# Altium PCB DRS4-PCB.PcbDoc (part 3 of 15) (continued)
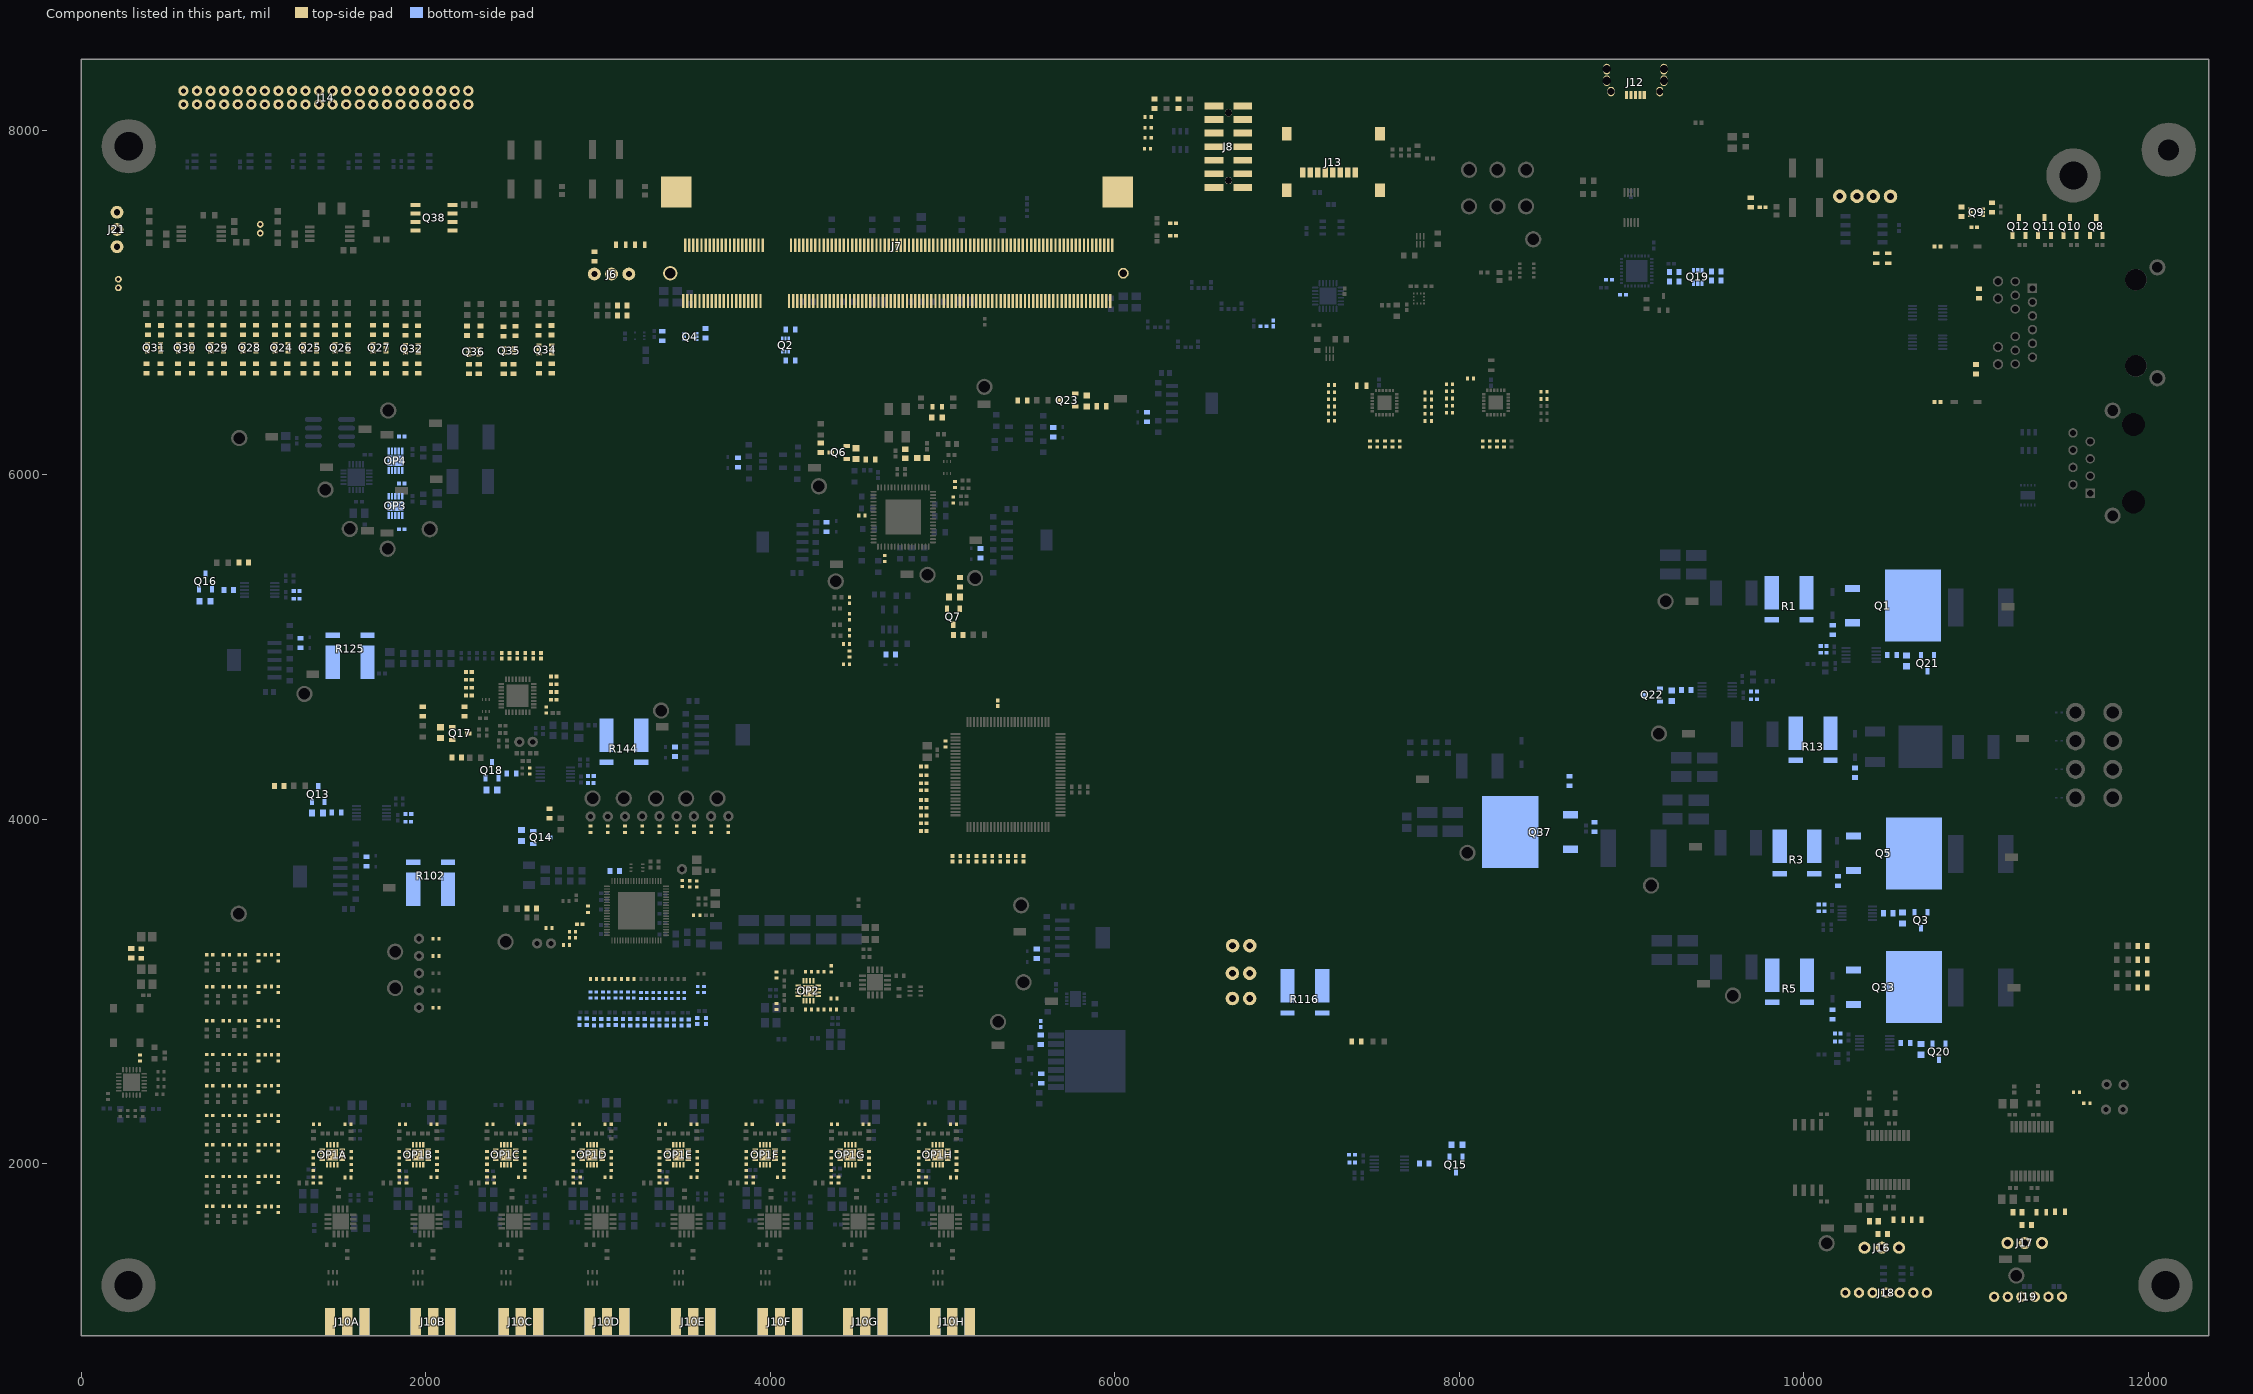
[diagram p13: the components of this part, seen from the top]
## Components (designator, comment, footprint, x,y, rotation, side; value= is the part's Value field where it differs from the comment) (continued)
R113 "1K1 1% 0402" RESC0402(1005)_L#1 2852.13,3312.09 r0 top value="1100.00 Ohm"
R114 "1K1 1% 0402" RESC0402(1005)_L#1 2851.57,3345.94 r0 top value="1100.00 Ohm"
R115 "49R9 1% 0402" RESC0402(1005)_L#2 3572.52,3442.62 r0 top value="49.90 Ohm"
R116 "SRes_KOA_PSG4NTEB1L00F_1mOhm" SRes_KOA_PSG4NTEB1L00F_1mOhm 7104.31,2967.31 r0 bottom
R117 "Res_Vishay_CRCW04020000Z0EDC_0_Ohm" Res_Vishay_CRCW04020000Z0EDC_0_Ohm 7377.7,2006.81 r0 bottom
R118 "100K 5% 0603" RESC0603(1608)_N 7985.37,2109.64 r0 bottom value="100000.00 Ohm"
R119 "100K 5% 0603" RESC0603(1608)_N 2555.24,3905.37 r90 bottom value="100000.00 Ohm"
R120 "Res_Vishay_CRCW04020000Z0EDC_0_Ohm" Res_Vishay_CRCW04020000Z0EDC_0_Ohm 7376.01,2052.1 r0 bottom
R121 "10K 5% 0603" RESC0603(1608)_L 7795.33,2001.3 r180 bottom value="10000.00 Ohm"
R122 "10K 5% 0603" RESC0603(1608)_L 3095.82,3698.86 r0 bottom value="10000.00 Ohm"
R123 "680R 5% 0603" RESC0603(1608)_L 2718.44,4032.45 r270 top value="680.00 Ohm"
R124 "680R 5% 0603" RESC0603(1608)_L 7401.9,2709.43 r0 top value="680.00 Ohm"
R125 "SRes_KOA_PSG4NTEB1L00F_1mOhm" SRes_KOA_PSG4NTEB1L00F_1mOhm 1559.31,4976.33 r180 bottom
R126 "49R9 1% 0402" RESC0402(1005)_L#1 2698.98,4633.95 r90 top value="49.90 Ohm"
R127 "22R 1% 0402" RESC0402(1005)_L#1 2602.34,4280.43 r90 top value="22.00 Ohm"
R128 "Res_Vishay_CRCW04020000Z0EDC_0_Ohm" Res_Vishay_CRCW04020000Z0EDC_0_Ohm 2742.51,4692.73 r0 top
R129 "Res_Vishay_CRCW04020000Z0EDC_0_Ohm" Res_Vishay_CRCW04020000Z0EDC_0_Ohm 1249.59,5325.45 r180 bottom
R130 "Res_Vishay_CRCW04020000Z0EDC_0_Ohm" Res_Vishay_CRCW04020000Z0EDC_0_Ohm 2742.51,4738.02 r0 top
R131 "100K 5% 0603" RESC0603(1608)_N 718.25,5265.89 r180 bottom value="100000.00 Ohm"
R132 "Res_Vishay_CRCW04020000Z0EDC_0_Ohm" Res_Vishay_CRCW04020000Z0EDC_0_Ohm 2742.51,4783.3 r0 top
R133 "Res_Vishay_CRCW04020000Z0EDC_0_Ohm" Res_Vishay_CRCW04020000Z0EDC_0_Ohm 1249.59,5280.16 r180 bottom
R134 "Res_Vishay_CRCW04020000Z0EDC_0_Ohm" Res_Vishay_CRCW04020000Z0EDC_0_Ohm 2742.51,4828.59 r0 top
R135 "10K 5% 0603" RESC0603(1608)_L 855.53,5330.67 r0 bottom value="10000.00 Ohm"
R136 "Res_Vishay_CRCW04020000Z0EDC_0_Ohm" Res_Vishay_CRCW04020000Z0EDC_0_Ohm 2668.72,4948.85 r90 top
R137 "Res_Vishay_CRCW04020000Z0EDC_0_Ohm" Res_Vishay_CRCW04020000Z0EDC_0_Ohm 2623.43,4948.85 r90 top
R138 "Res_Vishay_CRCW04020000Z0EDC_0_Ohm" Res_Vishay_CRCW04020000Z0EDC_0_Ohm 2577.09,4948.85 r90 top
R139 "Res_Vishay_CRCW04020000Z0EDC_0_Ohm" Res_Vishay_CRCW04020000Z0EDC_0_Ohm 2531,4948.85 r90 top
R140 "680R 5% 0603" RESC0603(1608)_L 942.42,5489.7 r180 top value="680.00 Ohm"
R141 "Res_Vishay_CRCW04020000Z0EDC_0_Ohm" Res_Vishay_CRCW04020000Z0EDC_0_Ohm 2485.61,4948.85 r90 top
R142 "Res_Vishay_CRCW04020000Z0EDC_0_Ohm" Res_Vishay_CRCW04020000Z0EDC_0_Ohm 2440.32,4948.85 r90 top
R143 "Res_Vishay_CRCW04020000Z0EDC_0_Ohm" Res_Vishay_CRCW04020000Z0EDC_0_Ohm 2249.59,4854.31 r180 top
R144 "SRes_KOA_PSG4NTEB1L00F_1mOhm" SRes_KOA_PSG4NTEB1L00F_1mOhm 3150.3,4422.62 r0 bottom
R145 "Res_Vishay_CRCW04020000Z0EDC_0_Ohm" Res_Vishay_CRCW04020000Z0EDC_0_Ohm 2249.59,4809.03 r180 top
R146 "Res_Vishay_CRCW04020000Z0EDC_0_Ohm" Res_Vishay_CRCW04020000Z0EDC_0_Ohm 2249.59,4763.74 r180 top
R147 "Res_Vishay_CRCW04020000Z0EDC_0_Ohm" Res_Vishay_CRCW04020000Z0EDC_0_Ohm 2249.59,4718.46 r180 top
R148 "100K 5% 0603" RESC0603(1608)_N 2084.8,4502.46 r270 top value="100000.00 Ohm"
R149 "Res_Vishay_CRCW04020000Z0EDC_0_Ohm" Res_Vishay_CRCW04020000Z0EDC_0_Ohm 2957.82,4251.42 r180 bottom
R150 "10K 5% 0603" RESC0603(1608)_L 2224.92,4625.49 r90 top value="10000.00 Ohm"
R151 "Res_Vishay_CRCW04020000Z0EDC_0_Ohm" Res_Vishay_CRCW04020000Z0EDC_0_Ohm 2957.55,4210.56 r180 bottom
R152 "100K 5% 0603" RESC0603(1608)_N 2382.92,4168.9 r180 bottom value="100000.00 Ohm"
R153 "10K 5% 0603" RESC0603(1608)_L 2496.34,4265.3 r0 bottom value="10000.00 Ohm"
R154 "680R 5% 0603" RESC0603(1608)_L 1981.58,4625.64 r270 top value="680.00 Ohm"
R155 "680R 5% 0603" RESC0603(1608)_L 2179.02,4358.31 r0 top value="680.00 Ohm"
R156A "61R9 1% 0402" RESC0402(1005)_L#1 1388.16,1906.22 r270 top value="61.90 Ohm" (schematic designator R156)
R156B "61R9 1% 0402" RESC0402(1005)_L#1 1886.9,1906.22 r270 top value="61.90 Ohm" (schematic designator R156)
R156C "61R9 1% 0402" RESC0402(1005)_L#1 2396.35,1906.22 r270 top value="61.90 Ohm" (schematic designator R156)
R156D "61R9 1% 0402" RESC0402(1005)_L#1 2896.51,1906.22 r270 top value="61.90 Ohm" (schematic designator R156)
R156E "61R9 1% 0402" RESC0402(1005)_L#1 3396.98,1906.22 r270 top value="61.90 Ohm" (schematic designator R156)
R156F "61R9 1% 0402" RESC0402(1005)_L#1 3900.48,1906.22 r270 top value="61.90 Ohm" (schematic designator R156)
R156G "61R9 1% 0402" RESC0402(1005)_L#1 4395.29,1906.22 r270 top value="61.90 Ohm" (schematic designator R156)
R156H "61R9 1% 0402" RESC0402(1005)_L#1 4902.81,1906.22 r270 top value="61.90 Ohm" (schematic designator R156)
R157A "49R9 1% 0402" RESC0402(1005)_L#1 1346.81,1906.22 r270 top value="49.90 Ohm" (schematic designator R157)
R157B "49R9 1% 0402" RESC0402(1005)_L#1 1845.55,1906.22 r270 top value="49.90 Ohm" (schematic designator R157)
R157C "49R9 1% 0402" RESC0402(1005)_L#1 2355,1906.22 r270 top value="49.90 Ohm" (schematic designator R157)
R157D "49R9 1% 0402" RESC0402(1005)_L#1 2855.16,1906.22 r270 top value="49.90 Ohm" (schematic designator R157)
R157E "49R9 1% 0402" RESC0402(1005)_L#1 3355.63,1906.22 r270 top value="49.90 Ohm" (schematic designator R157)
R157F "49R9 1% 0402" RESC0402(1005)_L#1 3859.13,1906.22 r270 top value="49.90 Ohm" (schematic designator R157)
R157G "49R9 1% 0402" RESC0402(1005)_L#1 4353.94,1906.22 r270 top value="49.90 Ohm" (schematic designator R157)
R157H "49R9 1% 0402" RESC0402(1005)_L#1 4861.46,1906.22 r270 top value="49.90 Ohm" (schematic designator R157)
R158 "Res_Vishay_CRCW04020000Z0EDC_0_Ohm" Res_Vishay_CRCW04020000Z0EDC_0_Ohm 6862.8,6861.93 r180 bottom
R159A "165R 1% 0402" RESC0402(1005)_L#1 1346.81,1979.06 r90 top value="165.00 Ohm" (schematic designator R159)
R159B "165R 1% 0402" RESC0402(1005)_L#1 1845.55,1979.06 r90 top value="165.00 Ohm" (schematic designator R159)
R159C "165R 1% 0402" RESC0402(1005)_L#1 2355,1979.06 r90 top value="165.00 Ohm" (schematic designator R159)
R159D "165R 1% 0402" RESC0402(1005)_L#1 2855.16,1979.06 r90 top value="165.00 Ohm" (schematic designator R159)
R159E "165R 1% 0402" RESC0402(1005)_L#1 3355.63,1979.06 r90 top value="165.00 Ohm" (schematic designator R159)
R159F "165R 1% 0402" RESC0402(1005)_L#1 3859.13,1979.06 r90 top value="165.00 Ohm" (schematic designator R159)
R159G "165R 1% 0402" RESC0402(1005)_L#1 4353.94,1979.06 r90 top value="165.00 Ohm" (schematic designator R159)
R159H "165R 1% 0402" RESC0402(1005)_L#1 4861.46,1979.06 r90 top value="165.00 Ohm" (schematic designator R159)
R160A "15R 1% 0402" RESC0402(1005)_L#1 1364.53,2229.13 r0 top value="15.00 Ohm" (schematic designator R160)
R160B "15R 1% 0402" RESC0402(1005)_L#1 1863.27,2229.13 r0 top value="15.00 Ohm" (schematic designator R160)
R160C "15R 1% 0402" RESC0402(1005)_L#1 2372.72,2229.13 r0 top value="15.00 Ohm" (schematic designator R160)
R160D "15R 1% 0402" RESC0402(1005)_L#1 2872.87,2229.13 r0 top value="15.00 Ohm" (schematic designator R160)
R160E "15R 1% 0402" RESC0402(1005)_L#1 3373.35,2229.13 r0 top value="15.00 Ohm" (schematic designator R160)
R160F "15R 1% 0402" RESC0402(1005)_L#1 3876.85,2229.13 r0 top value="15.00 Ohm" (schematic designator R160)
R160G "15R 1% 0402" RESC0402(1005)_L#1 4371.65,2229.13 r0 top value="15.00 Ohm" (schematic designator R160)
R160H "15R 1% 0402" RESC0402(1005)_L#1 4879.17,2229.13 r0 top value="15.00 Ohm" (schematic designator R160)
R161A "15R 1% 0402" RESC0402(1005)_L#1 1548.5,2229.13 r180 top value="15.00 Ohm" (schematic designator R161)
R161B "15R 1% 0402" RESC0402(1005)_L#1 2047.32,2229.13 r180 top value="15.00 Ohm" (schematic designator R161)
R161C "15R 1% 0402" RESC0402(1005)_L#1 2556.5,2229.41 r180 top value="15.00 Ohm" (schematic designator R161)
R161D "15R 1% 0402" RESC0402(1005)_L#1 3058.46,2229.13 r180 top value="15.00 Ohm" (schematic designator R161)
R161E "15R 1% 0402" RESC0402(1005)_L#1 3557.13,2229.13 r180 top value="15.00 Ohm" (schematic designator R161)
R161F "15R 1% 0402" RESC0402(1005)_L#1 4060.2,2229.13 r180 top value="15.00 Ohm" (schematic designator R161)
R161G "15R 1% 0402" RESC0402(1005)_L#1 4555,2229.13 r180 top value="15.00 Ohm" (schematic designator R161)
R161H "15R 1% 0402" RESC0402(1005)_L#1 5062.52,2229.13 r180 top value="15.00 Ohm" (schematic designator R161)
R162A "165R 1% 0402" RESC0402(1005)_L#1 1566.22,1978.78 r90 top value="165.00 Ohm" (schematic designator R162)
R162B "165R 1% 0402" RESC0402(1005)_L#1 2065.04,1978.78 r90 top value="165.00 Ohm" (schematic designator R162)
R162C "165R 1% 0402" RESC0402(1005)_L#1 2574.21,1979.06 r90 top value="165.00 Ohm" (schematic designator R162)
R162D "165R 1% 0402" RESC0402(1005)_L#1 3076.18,1979.06 r90 top value="165.00 Ohm" (schematic designator R162)
R162E "165R 1% 0402" RESC0402(1005)_L#1 3574.84,1979.06 r90 top value="165.00 Ohm" (schematic designator R162)
R162F "165R 1% 0402" RESC0402(1005)_L#1 4077.91,1979.06 r90 top value="165.00 Ohm" (schematic designator R162)
R162G "165R 1% 0402" RESC0402(1005)_L#1 4572.72,1979.06 r90 top value="165.00 Ohm" (schematic designator R162)
R162H "165R 1% 0402" RESC0402(1005)_L#1 5080.24,1979.06 r90 top value="165.00 Ohm" (schematic designator R162)
R163 "1K1 1% 0402" RESC0402(1005)_L#1 3755.91,3941.54 r90 top value="1100.00 Ohm"
R164A "61R9 1% 0402" RESC0402(1005)_L#1 1548.74,1920.31 r0 top value="61.90 Ohm" (schematic designator R164)
R164B "61R9 1% 0402" RESC0402(1005)_L#1 2047.32,1921.68 r0 top value="61.90 Ohm" (schematic designator R164)
R164C "61R9 1% 0402" RESC0402(1005)_L#1 2556.5,1920.83 r0 top value="61.90 Ohm" (schematic designator R164)
R164D "61R9 1% 0402" RESC0402(1005)_L#1 3056.65,1920.83 r0 top value="61.90 Ohm" (schematic designator R164)
R164E "61R9 1% 0402" RESC0402(1005)_L#1 3557.13,1920.83 r0 top value="61.90 Ohm" (schematic designator R164)
R164F "61R9 1% 0402" RESC0402(1005)_L#1 4060.2,1920.83 r0 top value="61.90 Ohm" (schematic designator R164)
R164G "61R9 1% 0402" RESC0402(1005)_L#1 4555,1921.68 r0 top value="61.90 Ohm" (schematic designator R164)
R164H "61R9 1% 0402" RESC0402(1005)_L#1 5062.52,1919.83 r0 top value="61.90 Ohm" (schematic designator R164)
R165A "348R 1% 0402" RESC0402(1005)_L#1 1566.22,2051.89 r90 top value="348.00 Ohm" (schematic designator R165)
R165B "348R 1% 0402" RESC0402(1005)_L#1 2065.04,2051.89 r90 top value="348.00 Ohm" (schematic designator R165)
R165C "348R 1% 0402" RESC0402(1005)_L#1 2574.21,2051.89 r90 top value="348.00 Ohm" (schematic designator R165)
R165D "348R 1% 0402" RESC0402(1005)_L#1 3076.18,2051.89 r90 top value="348.00 Ohm" (schematic designator R165)
R165E "348R 1% 0402" RESC0402(1005)_L#1 3574.84,2051.89 r90 top value="348.00 Ohm" (schematic designator R165)
R165F "348R 1% 0402" RESC0402(1005)_L#1 4077.91,2051.89 r90 top value="348.00 Ohm" (schematic designator R165)
R165G "348R 1% 0402" RESC0402(1005)_L#1 4572.72,2051.89 r90 top value="348.00 Ohm" (schematic designator R165)
R165H "348R 1% 0402" RESC0402(1005)_L#1 5080.24,2051.89 r90 top value="348.00 Ohm" (schematic designator R165)
R166A "22R 1% 0402" RESC0402(1005)_L#1 2955.9,2978.68 r90 bottom value="22.00 Ohm" (schematic designator R166)
R166B "22R 1% 0402" RESC0402(1005)_L#1 3028.3,2978.46 r90 bottom value="22.00 Ohm" (schematic designator R166)
R166C "22R 1% 0402" RESC0402(1005)_L#1 3100.7,2978.46 r90 bottom value="22.00 Ohm" (schematic designator R166)
R166D "22R 1% 0402" RESC0402(1005)_L#1 3173.1,2978.46 r90 bottom value="22.00 Ohm" (schematic designator R166)
R166E "22R 1% 0402" RESC0402(1005)_L#1 3248.46,2977.51 r90 bottom value="22.00 Ohm" (schematic designator R166)
R166F "22R 1% 0402" RESC0402(1005)_L#1 3320.46,2977.51 r90 bottom value="22.00 Ohm" (schematic designator R166)
R166G "22R 1% 0402" RESC0402(1005)_L#1 3392.86,2977.51 r90 bottom value="22.00 Ohm" (schematic designator R166)
R166H "22R 1% 0402" RESC0402(1005)_L#1 3465.27,2977.51 r90 bottom value="22.00 Ohm" (schematic designator R166)
R167A "22R 1% 0402" RESC0402(1005)_L#1 2989.75,2978.77 r90 bottom value="22.00 Ohm" (schematic designator R167)
R167B "22R 1% 0402" RESC0402(1005)_L#1 3062.16,2978.46 r90 bottom value="22.00 Ohm" (schematic designator R167)
R167C "22R 1% 0402" RESC0402(1005)_L#1 3134.56,2978.46 r90 bottom value="22.00 Ohm" (schematic designator R167)
R167D "22R 1% 0402" RESC0402(1005)_L#1 3206.96,2978.46 r90 bottom value="22.00 Ohm" (schematic designator R167)
R167E "22R 1% 0402" RESC0402(1005)_L#1 3281.92,2977.51 r90 bottom value="22.00 Ohm" (schematic designator R167)
R167F "22R 1% 0402" RESC0402(1005)_L#1 3354.32,2977.51 r90 bottom value="22.00 Ohm" (schematic designator R167)
R167G "22R 1% 0402" RESC0402(1005)_L#1 3426.72,2977.51 r90 bottom value="22.00 Ohm" (schematic designator R167)
R167H "22R 1% 0402" RESC0402(1005)_L#1 3499.12,2977.51 r90 bottom value="22.00 Ohm" (schematic designator R167)
R168 "100R 5% 0402" RESC0402(1005)_L#1 2972.88,3072.2 r0 top value="100.00 Ohm"
R169 "100R 5% 0402" RESC0402(1005)_L#1 3045.36,3072.2 r0 top value="100.00 Ohm"
R170A "348R 1% 0402" RESC0402(1005)_L#1 1346.81,2051.89 r90 top value="348.00 Ohm" (schematic designator R170)
R170B "348R 1% 0402" RESC0402(1005)_L#1 1845.55,2051.89 r90 top value="348.00 Ohm" (schematic designator R170)
R170C "348R 1% 0402" RESC0402(1005)_L#1 2355,2051.89 r90 top value="348.00 Ohm" (schematic designator R170)
R170D "348R 1% 0402" RESC0402(1005)_L#1 2855.16,2051.89 r90 top value="348.00 Ohm" (schematic designator R170)
R170E "348R 1% 0402" RESC0402(1005)_L#1 3355.63,2051.89 r90 top value="348.00 Ohm" (schematic designator R170)
R170F "348R 1% 0402" RESC0402(1005)_L#1 3859.13,2051.89 r90 top value="348.00 Ohm" (schematic designator R170)
R170G "348R 1% 0402" RESC0402(1005)_L#1 4353.94,2051.89 r90 top value="348.00 Ohm" (schematic designator R170)
R170H "348R 1% 0402" RESC0402(1005)_L#3 4861.46,2051.89 r90 top value="348.00 Ohm" (schematic designator R170)
R171 "61R9 1% 0402" RESC0402(1005)_L#1 4368.79,2959.32 r0 top value="61.90 Ohm"
R172 "49R9 1% 0402" RESC0402(1005)_L#1 4366.81,2894.77 r0 top value="49.90 Ohm"
R173 "Res_Vishay_CRCW04020000Z0EDC_0_Ohm" Res_Vishay_CRCW04020000Z0EDC_0_Ohm 6918.96,6878.66 r270 bottom
R174 "165R 1% 0402" RESC0402(1005)_L#1 4293.98,2894.77 r180 top value="165.00 Ohm"
R175 "15R 1% 0402" RESC0402(1005)_L#1 4035.63,2913.45 r90 top value="15.00 Ohm"
R176 "15R 1% 0402" RESC0402(1005)_L#1 4035.63,3095.82 r270 top value="15.00 Ohm"
R177 "165R 1% 0402" RESC0402(1005)_L#1 4293.98,3113.85 r180 top value="165.00 Ohm"
R178 "61R9 1% 0402" RESC0402(1005)_L#1 4353.04,3131.56 r270 top value="61.90 Ohm"
R179 "1K1 1% 0402" RESC0402(1005)_L#1 3355.91,3941.54 r90 top value="1100.00 Ohm"
R180 "348R 1% 0402" RESC0402(1005)_L#1 4221.14,3113.85 r180 top value="348.00 Ohm"
R181 "348R 1% 0402" RESC0402(1005)_L#1 4221.14,2894.75 r180 top value="348.00 Ohm"
R182 "22R 1% 0402" RESC0402(1005)_L#1 3578.4,3011.97 r90 bottom value="22.00 Ohm"
R183 "22R 1% 0402" RESC0402(1005)_L#1 3614.01,3011.97 r90 bottom value="22.00 Ohm"
R184 "100R 5% 0402" RESC0402(1005)_L#1 3116.8,3072.2 r0 top value="100.00 Ohm"
R185 "100R 5% 0402" RESC0402(1005)_L#1 3189.7,3072.2 r0 top value="100.00 Ohm"
R186 "18R 1% 0402" RESC0402(1005)_L#1 4459.13,4958.43 r270 top value="18.00 Ohm"
R187 "300R 1% 0402" RESC0402(1005)_L#1 4442.2,5017.68 r0 top value="300.00 Ohm"
R188 "300R 1% 0402" RESC0402(1005)_L#1 4442.2,4899.21 r0 top value="300.00 Ohm"
R189 "RES_DNP_0603" RES_DNP_0603 10421.08,7256.52 r270 top
R190 "RES_DNP_0603" RES_DNP_0603 10489.99,7256.52 r270 top
R191 "Res_Vishay_CRCW04020000Z0EDC_0_Ohm" Res_Vishay_CRCW04020000Z0EDC_0_Ohm 8949.4,7044.38 r180 bottom
R192 "Res_Vishay_CRCW04020000Z0EDC_0_Ohm" Res_Vishay_CRCW04020000Z0EDC_0_Ohm 8868.66,7131.12 r180 bottom
R193 "1K 5% 0603" RESC0603(1608)_L 9691.51,7580.74 r90 top value="1000.00 Ohm"
R194 "Res_Vishay_CRCW04020000Z0EDC_0_Ohm" Res_Vishay_CRCW04020000Z0EDC_0_Ohm 9760.4,7553.18 r0 top
R195 "680R 5% 0603" RESC0603(1608)_L 9490.45,7179.84 r0 bottom value="680.00 Ohm"
R196 "680R 5% 0603" RESC0603(1608)_L 9490.45,7126.68 r0 bottom value="680.00 Ohm"
R197 "10K 5% 0603" RESC0603(1608)_L 9247.91,7120.58 r180 bottom value="10000.00 Ohm"
R198 "10K 5% 0603" RESC0603(1608)_L 9247.91,7175.7 r0 bottom value="10000.00 Ohm"
R199 "Res_Vishay_CRCW04020000Z0EDC_0_Ohm" Res_Vishay_CRCW04020000Z0EDC_0_Ohm 10196.31,2710 r180 bottom
R200 "Res_Vishay_CRCW04020000Z0EDC_0_Ohm" Res_Vishay_CRCW04020000Z0EDC_0_Ohm 10114.37,4965.85 r180 bottom
R201 "Res_Vishay_CRCW04020000Z0EDC_0_Ohm" Res_Vishay_CRCW04020000Z0EDC_0_Ohm 9710.17,4741.5 r0 bottom
R202 "100K 5% 0603" RESC0603(1608)_N 10679.83,2664.31 r270 bottom value="100000.00 Ohm"
R203 "100K 5% 0603" RESC0603(1608)_N 10596.14,4919.36 r270 bottom value="100000.00 Ohm"
R204 "100K 5% 0603" RESC0603(1608)_N 9232.4,4716.66 r270 bottom value="100000.00 Ohm"
R205 "Res_Vishay_CRCW04020000Z0EDC_0_Ohm" Res_Vishay_CRCW04020000Z0EDC_0_Ohm 10196.31,2755.29 r180 bottom
R206 "Res_Vishay_CRCW04020000Z0EDC_0_Ohm" Res_Vishay_CRCW04020000Z0EDC_0_Ohm 10114.37,5005.8 r180 bottom
R207 "Res_Vishay_CRCW04020000Z0EDC_0_Ohm" Res_Vishay_CRCW04020000Z0EDC_0_Ohm 9710.17,4696.22 r0 bottom
R208 "10K 5% 0603" RESC0603(1608)_L 10590.04,2701.63 r180 bottom value="10000.00 Ohm"
R209 "10K 5% 0603" RESC0603(1608)_L 10511.49,4954.22 r180 bottom value="10000.00 Ohm"
R210 "10K 5% 0603" RESC0603(1608)_L 9317.04,4750.51 r0 bottom value="10000.00 Ohm"
R211 "680R 5% 0603" RESC0603(1608)_L 11965.59,3023.31 r180 top value="680.00 Ohm"
R212 "680R 5% 0603" RESC0603(1608)_L 11965.59,3264.41 r180 top value="680.00 Ohm"
R213 "680R 5% 0603" RESC0603(1608)_L 11965.59,3184.02 r180 top value="680.00 Ohm"
R214 "100K 5% 0603" RESC0603(1608)_N 5837.04,6428.42 r90 top value="100000.00 Ohm"
R215 "10K 5% 0603" RESC0603(1608)_L 5921.7,6397.47 r0 top value="10000.00 Ohm"
R216 "680R 5% 0603" RESC0603(1608)_L 5464.06,6431.56 r0 top value="680.00 Ohm"
R217 "1K1 1% 0402" RESC0402(1005)_L#1 2955.91,3941.54 r90 top value="1100.00 Ohm"
R218 "1K1 1% 0402" RESC0402(1005)_L#1 3055.91,3941.54 r90 top value="1100.00 Ohm"
R219 "Res_Vishay_CRCW04020000Z0EDC_0_Ohm" Res_Vishay_CRCW04020000Z0EDC_0_Ohm 6338.19,7386.74 r180 top
R220 "Res_Vishay_CRCW04020000Z0EDC_0_Ohm" Res_Vishay_CRCW04020000Z0EDC_0_Ohm 6338.19,7459.58 r180 top
R221 "25R5 1% 0402" RESC0402(1005)_L#1 339.98,2613.91 r270 top value="25.50 Ohm"
R222 "10R 1% 0603(1608)" RESC0603(1608)_L 289.54,3221.94 r270 top value="10.00 Ohm"
R223 "18R 1% 0402" RESC0402(1005)_L#1 1085.06,1751.31 r0 top value="18.00 Ohm"
R224 "18R 1% 0402" RESC0402(1005)_L#1 1085.06,2632.42 r0 top value="18.00 Ohm"
R225 "300R 1% 0402" RESC0402(1005)_L#1 1027.97,1733.62 r90 top value="300.00 Ohm"
R226 "300R 1% 0402" RESC0402(1005)_L#1 1142.58,1733.62 r90 top value="300.00 Ohm"
R227 "300R 1% 0402" RESC0402(1005)_L#1 1027.97,2614.68 r90 top value="300.00 Ohm"
R228 "300R 1% 0402" RESC0402(1005)_L#1 1142.58,2614.68 r90 top value="300.00 Ohm"
R229 "18R 1% 0402" RESC0402(1005)_L#1 1085.06,1926.71 r0 top value="18.00 Ohm"
R230 "18R 1% 0402" RESC0402(1005)_L#1 1085.06,2830.84 r0 top value="18.00 Ohm"
R231 "300R 1% 0402" RESC0402(1005)_L#1 1027.97,1908.99 r90 top value="300.00 Ohm"
R232 "300R 1% 0402" RESC0402(1005)_L#1 1142.58,1908.99 r90 top value="300.00 Ohm"
R233 "300R 1% 0402" RESC0402(1005)_L#1 1142.58,2813.16 r90 top value="300.00 Ohm"
R234 "300R 1% 0402" RESC0402(1005)_L#4 1027.97,2813.16 r90 top value="300.00 Ohm"
R235 "18R 1% 0402" RESC0402(1005)_L#1 1085.06,2109.94 r0 top value="18.00 Ohm"
R236 "18R 1% 0402" RESC0402(1005)_L#1 1085.06,3028.87 r0 top value="18.00 Ohm"
R237 "300R 1% 0402" RESC0402(1005)_L#1 1027.97,2092.22 r90 top value="300.00 Ohm"
R238 "300R 1% 0402" RESC0402(1005)_L#1 1142.58,2092.22 r90 top value="300.00 Ohm"
R239 "300R 1% 0402" RESC0402(1005)_L#1 1142.58,3011.16 r90 top value="300.00 Ohm"
R240 "300R 1% 0402" RESC0402(1005)_L#1 1027.99,3011.16 r90 top value="300.00 Ohm"
R241 "18R 1% 0402" RESC0402(1005)_L#1 1085.06,2280.64 r0 top value="18.00 Ohm"
R242 "18R 1% 0402" RESC0402(1005)_L#1 1085.06,3213.52 r0 top value="18.00 Ohm"
R243 "300R 1% 0402" RESC0402(1005)_L#1 1027.97,2262.93 r90 top value="300.00 Ohm"
R244 "300R 1% 0402" RESC0402(1005)_L#1 1142.58,2262.93 r90 top value="300.00 Ohm"
R245 "300R 1% 0402" RESC0402(1005)_L#1 1027.97,3195.8 r90 top value="300.00 Ohm"
R246 "300R 1% 0402" RESC0402(1005)_L#1 1142.58,3195.8 r90 top value="300.00 Ohm"
R247 "18R 1% 0402" RESC0402(1005)_L#1 1085.06,2453.09 r0 top value="18.00 Ohm"
R248 "300R 1% 0402" RESC0402(1005)_L#1 1027.97,2435.37 r90 top value="300.00 Ohm"
R249 "300R 1% 0402" RESC0402(1005)_L#1 1142.58,2435.37 r90 top value="300.00 Ohm"
R250 "1K1 1% 0402" RESC0402(1005)_L#1 7480.53,6177.46 r270 top value="1100.00 Ohm"
R251 "1K1 1% 0402" RESC0402(1005)_L#1 7522.51,6177.46 r270 top value="1100.00 Ohm"
R252 "1K1 1% 0402" RESC0402(1005)_L#1 7567.48,6177.46 r270 top value="1100.00 Ohm"
R253 "1K1 1% 0402" RESC0402(1005)_L#1 7610.95,6177.46 r270 top value="1100.00 Ohm"
R254 "1K1 1% 0402" RESC0402(1005)_L#1 7819.21,6477.33 r0 top value="1100.00 Ohm"
R255 "1K1 1% 0402" RESC0402(1005)_L#1 7819.21,6435.98 r0 top value="1100.00 Ohm"
R256 "1K1 1% 0402" RESC0402(1005)_L#1 7819.21,6394.64 r0 top value="1100.00 Ohm"
R257 "1K1 1% 0402" RESC0402(1005)_L#1 7819.21,6353.29 r0 top value="1100.00 Ohm"
R258 "1K1 1% 0402" RESC0402(1005)_L#1 7819.21,6311.94 r0 top value="1100.00 Ohm"
R259 "1K1 1% 0402" RESC0402(1005)_L#1 7654.43,6177.48 r270 top value="1100.00 Ohm"
R260 "1K1 1% 0402" RESC0402(1005)_L#1 8064.57,6558.64 r0 top value="1100.00 Ohm"
R261 "1K1 1% 0402" RESC0402(1005)_L#1 7942.52,6525.04 r180 top value="1100.00 Ohm"
R262 "1K1 1% 0402" RESC0402(1005)_L#1 7942.52,6483.66 r180 top value="1100.00 Ohm"
R263 "1K1 1% 0402" RESC0402(1005)_L#1 7942.52,6442.32 r180 top value="1100.00 Ohm"
R264 "1K1 1% 0402" RESC0402(1005)_L#1 7942.52,6400.98 r180 top value="1100.00 Ohm"
R265 "1K1 1% 0402" RESC0402(1005)_L#1 7942.52,6359.61 r180 top value="1100.00 Ohm"
R266 "1K1 1% 0402" RESC0402(1005)_L#1 8135.31,6177.48 r270 top value="1100.00 Ohm"
R267 "1K1 1% 0402" RESC0402(1005)_L#1 8176.66,6177.48 r270 top value="1100.00 Ohm"
R268 "1K1 1% 0402" RESC0402(1005)_L#1 8218.02,6177.48 r270 top value="1100.00 Ohm"
R269 "1K1 1% 0402" RESC0402(1005)_L#1 8259.36,6177.48 r270 top value="1100.00 Ohm"
R270 "Res_Vishay_CRCW04020000Z0EDC_0_Ohm" Res_Vishay_CRCW04020000Z0EDC_0_Ohm 1859.95,6221.94 r0 bottom
R271 "Res_Vishay_CRCW04020000Z0EDC_0_Ohm" Res_Vishay_CRCW04020000Z0EDC_0_Ohm 1859.64,5683.56 r0 bottom
R272 "Res_Vishay_CRCW04020000Z0EDC_0_Ohm" Res_Vishay_CRCW04020000Z0EDC_0_Ohm 1859.95,5949.41 r0 bottom
R273 "680R 5% 0603" RESC0603(1608)_L 1199.41,6839.45 r90 top value="680.00 Ohm"
R274 "680R 5% 0603" RESC0603(1608)_L 1124.61,6839.45 r90 top value="680.00 Ohm"
R275 "680R 5% 0603" RESC0603(1608)_L 1364.96,6839.45 r90 top value="680.00 Ohm"
R276 "680R 5% 0603" RESC0603(1608)_L 1290.16,6839.45 r90 top value="680.00 Ohm"
R277 "680R 5% 0603" RESC0603(1608)_L 1547.28,6839.45 r90 top value="680.00 Ohm"
R278 "680R 5% 0603" RESC0603(1608)_L 1472.48,6839.45 r90 top value="680.00 Ohm"
R279 "680R 5% 0603" RESC0603(1608)_L 1767.83,6839.46 r90 top value="680.00 Ohm"
R280 "680R 5% 0603" RESC0603(1608)_L 1693.03,6839.46 r90 top value="680.00 Ohm"
R281 "10K 5% 0603" RESC0603(1608)_L 1115.32,6617.01 r270 top value="10000.00 Ohm"
R282 "10K 5% 0603" RESC0603(1608)_L 1289.65,6617.01 r270 top value="10000.00 Ohm"
R283 "10K 5% 0603" RESC0603(1608)_L 1472.68,6617.01 r270 top value="10000.00 Ohm"
R284 "10K 5% 0603" RESC0603(1608)_L 1693.67,6617.01 r270 top value="10000.00 Ohm"
R285 "10K 5% 0603" RESC0603(1608)_L 1194.95,6616.96 r90 top value="10000.00 Ohm"
R286 "10K 5% 0603" RESC0603(1608)_L 1364.45,6617.01 r90 top value="10000.00 Ohm"
R287 "10K 5% 0603" RESC0603(1608)_L 1547.48,6617.01 r90 top value="10000.00 Ohm"
R288 "10K 5% 0603" RESC0603(1608)_L 1768.47,6617.01 r90 top value="10000.00 Ohm"
R289 "680R 5% 0603" RESC0603(1608)_L 1013.39,6839.45 r90 top value="680.00 Ohm"
R290 "680R 5% 0603" RESC0603(1608)_L 938.58,6839.45 r90 top value="680.00 Ohm"
R291 "680R 5% 0603" RESC0603(1608)_L 825.83,6839.45 r90 top value="680.00 Ohm"
R292 "680R 5% 0603" RESC0603(1608)_L 751.02,6839.45 r90 top value="680.00 Ohm"
R293 "680R 5% 0603" RESC0603(1608)_L 639.77,6839.45 r90 top value="680.00 Ohm"
R294 "680R 5% 0603" RESC0603(1608)_L 564.97,6839.45 r90 top value="680.00 Ohm"
R295 "680R 5% 0603" RESC0603(1608)_L 461.65,6839.02 r90 top value="680.00 Ohm"
R296 "680R 5% 0603" RESC0603(1608)_L 386.45,6839.47 r90 top value="680.00 Ohm"
R297 "10K 5% 0603" RESC0603(1608)_L 938.58,6617.01 r270 top value="10000.00 Ohm"
R298 "10K 5% 0603" RESC0603(1608)_L 750.52,6617.01 r270 top value="10000.00 Ohm"
R299 "10K 5% 0603" RESC0603(1608)_L 560.96,6617.01 r270 top value="10000.00 Ohm"
R300 "10K 5% 0603" RESC0603(1608)_L 378.64,6617.01 r270 top value="10000.00 Ohm"
R301 "10K 5% 0603" RESC0603(1608)_L 1013.39,6617.01 r90 top value="10000.00 Ohm"
R302 "10K 5% 0603" RESC0603(1608)_L 828.82,6617.01 r90 top value="10000.00 Ohm"
R303 "10K 5% 0603" RESC0603(1608)_L 641.71,6617.01 r90 top value="10000.00 Ohm"
R304 "10K 5% 0603" RESC0603(1608)_L 459.86,6617.01 r90 top value="10000.00 Ohm"
R305 "680R 5% 0603" RESC0603(1608)_L 1953.46,6836.79 r90 top value="680.00 Ohm"
R306 "680R 5% 0603" RESC0603(1608)_L 1882.44,6836.79 r90 top value="680.00 Ohm"
R307 "1K1 1% 0402" RESC0402(1005)_L#1 2058.14,3306.08 r0 top value="1100.00 Ohm"
R308 "1K1 1% 0402" RESC0402(1005)_L#1 2058.14,3206.08 r180 top value="1100.00 Ohm"
R309 "680R 5% 0603" RESC0603(1608)_L 2728.82,6838.97 r90 top value="680.00 Ohm"
R310 "680R 5% 0603" RESC0603(1608)_L 2653.82,6836.5 r90 top value="680.00 Ohm"
R311 "10K 5% 0603" RESC0603(1608)_L 1880.79,6617.01 r270 top value="10000.00 Ohm"
R312 "1K1 1% 0402" RESC0402(1005)_L#1 3255.91,3941.54 r90 top value="1100.00 Ohm"
R313 "10K 5% 0603" RESC0603(1608)_L 2655.67,6617.01 r270 top value="10000.00 Ohm"
R314 "10K 5% 0603" RESC0603(1608)_L 1955.59,6617.01 r90 top value="10000.00 Ohm"
R315 "1K1 1% 0402" RESC0402(1005)_L#1 3655.91,3941.54 r90 top value="1100.00 Ohm"
R316 "10K 5% 0603" RESC0603(1608)_L 2730.47,6617.01 r90 top value="10000.00 Ohm"
R317 "10K 5% 0603" RESC0603(1608)_L 2452.2,6614.17 r90 top value="10000.00 Ohm"
R318 "10K 5% 0603" RESC0603(1608)_L 2306.72,6614.17 r90 top value="10000.00 Ohm"
R319 "10K 5% 0603" RESC0603(1608)_L 2507.48,6614.17 r270 top value="10000.00 Ohm"
R320 "10K 5% 0603" RESC0603(1608)_L 2249.63,6614.17 r270 top value="10000.00 Ohm"
R321 "680R 5% 0603" RESC0603(1608)_L 2449.98,6831.55 r270 top value="680.00 Ohm"
R322 "680R 5% 0603" RESC0603(1608)_L 2521,6834.79 r270 top value="680.00 Ohm"
R323 "680R 5% 0603" RESC0603(1608)_L 2317.87,6835.9 r270 top value="680.00 Ohm"
R324 "680R 5% 0603" RESC0603(1608)_L 2237.98,6835.9 r270 top value="680.00 Ohm"
R325 "RES_DNP_0603" RES_DNP_0603 10654.46,1675.12 r180 top
R326 "RES_DNP_0603" RES_DNP_0603 10548.35,1675.12 r0 top
R327 "RES_DNP_0603" RES_DNP_0603 11486.73,1720.79 r180 top
R328 "RES_DNP_0603" RES_DNP_0603 11378.45,1719.18 r0 top
R329 "10K 5% 0603" RESC0603(1608)_L 10458.19,1593.03 r180 top value="10000.00 Ohm"
R330 "Res_Panasonic_ERJ-3EKF1692V_16.9kOhm" Res_Panasonic_ERJ-3EKF1692V_16.9kOhm 10406.02,1665.87 r0 top
R331 "10K 5% 0603" RESC0603(1608)_L 11293.44,1645 r180 top value="10000.00 Ohm"
R332 "Res_Panasonic_ERJ-3EKF1692V_16.9kOhm" Res_Panasonic_ERJ-3EKF1692V_16.9kOhm 11239.88,1717.02 r0 top
R333 "Res_Vishay_CRCW04020000Z0EDC_0_Ohm" Res_Vishay_CRCW04020000Z0EDC_0_Ohm 4889.88,4021.49 r0 top
R334 "1K1 1% 0402" RESC0402(1005)_L#1 8491.61,6480.91 r0 top value="1100.00 Ohm"
R335 "1K1 1% 0402" RESC0402(1005)_L#1 8491.61,6439.57 r0 top value="1100.00 Ohm"